# KiCad board coleco_original_main_only.kicad_pcb (continued)
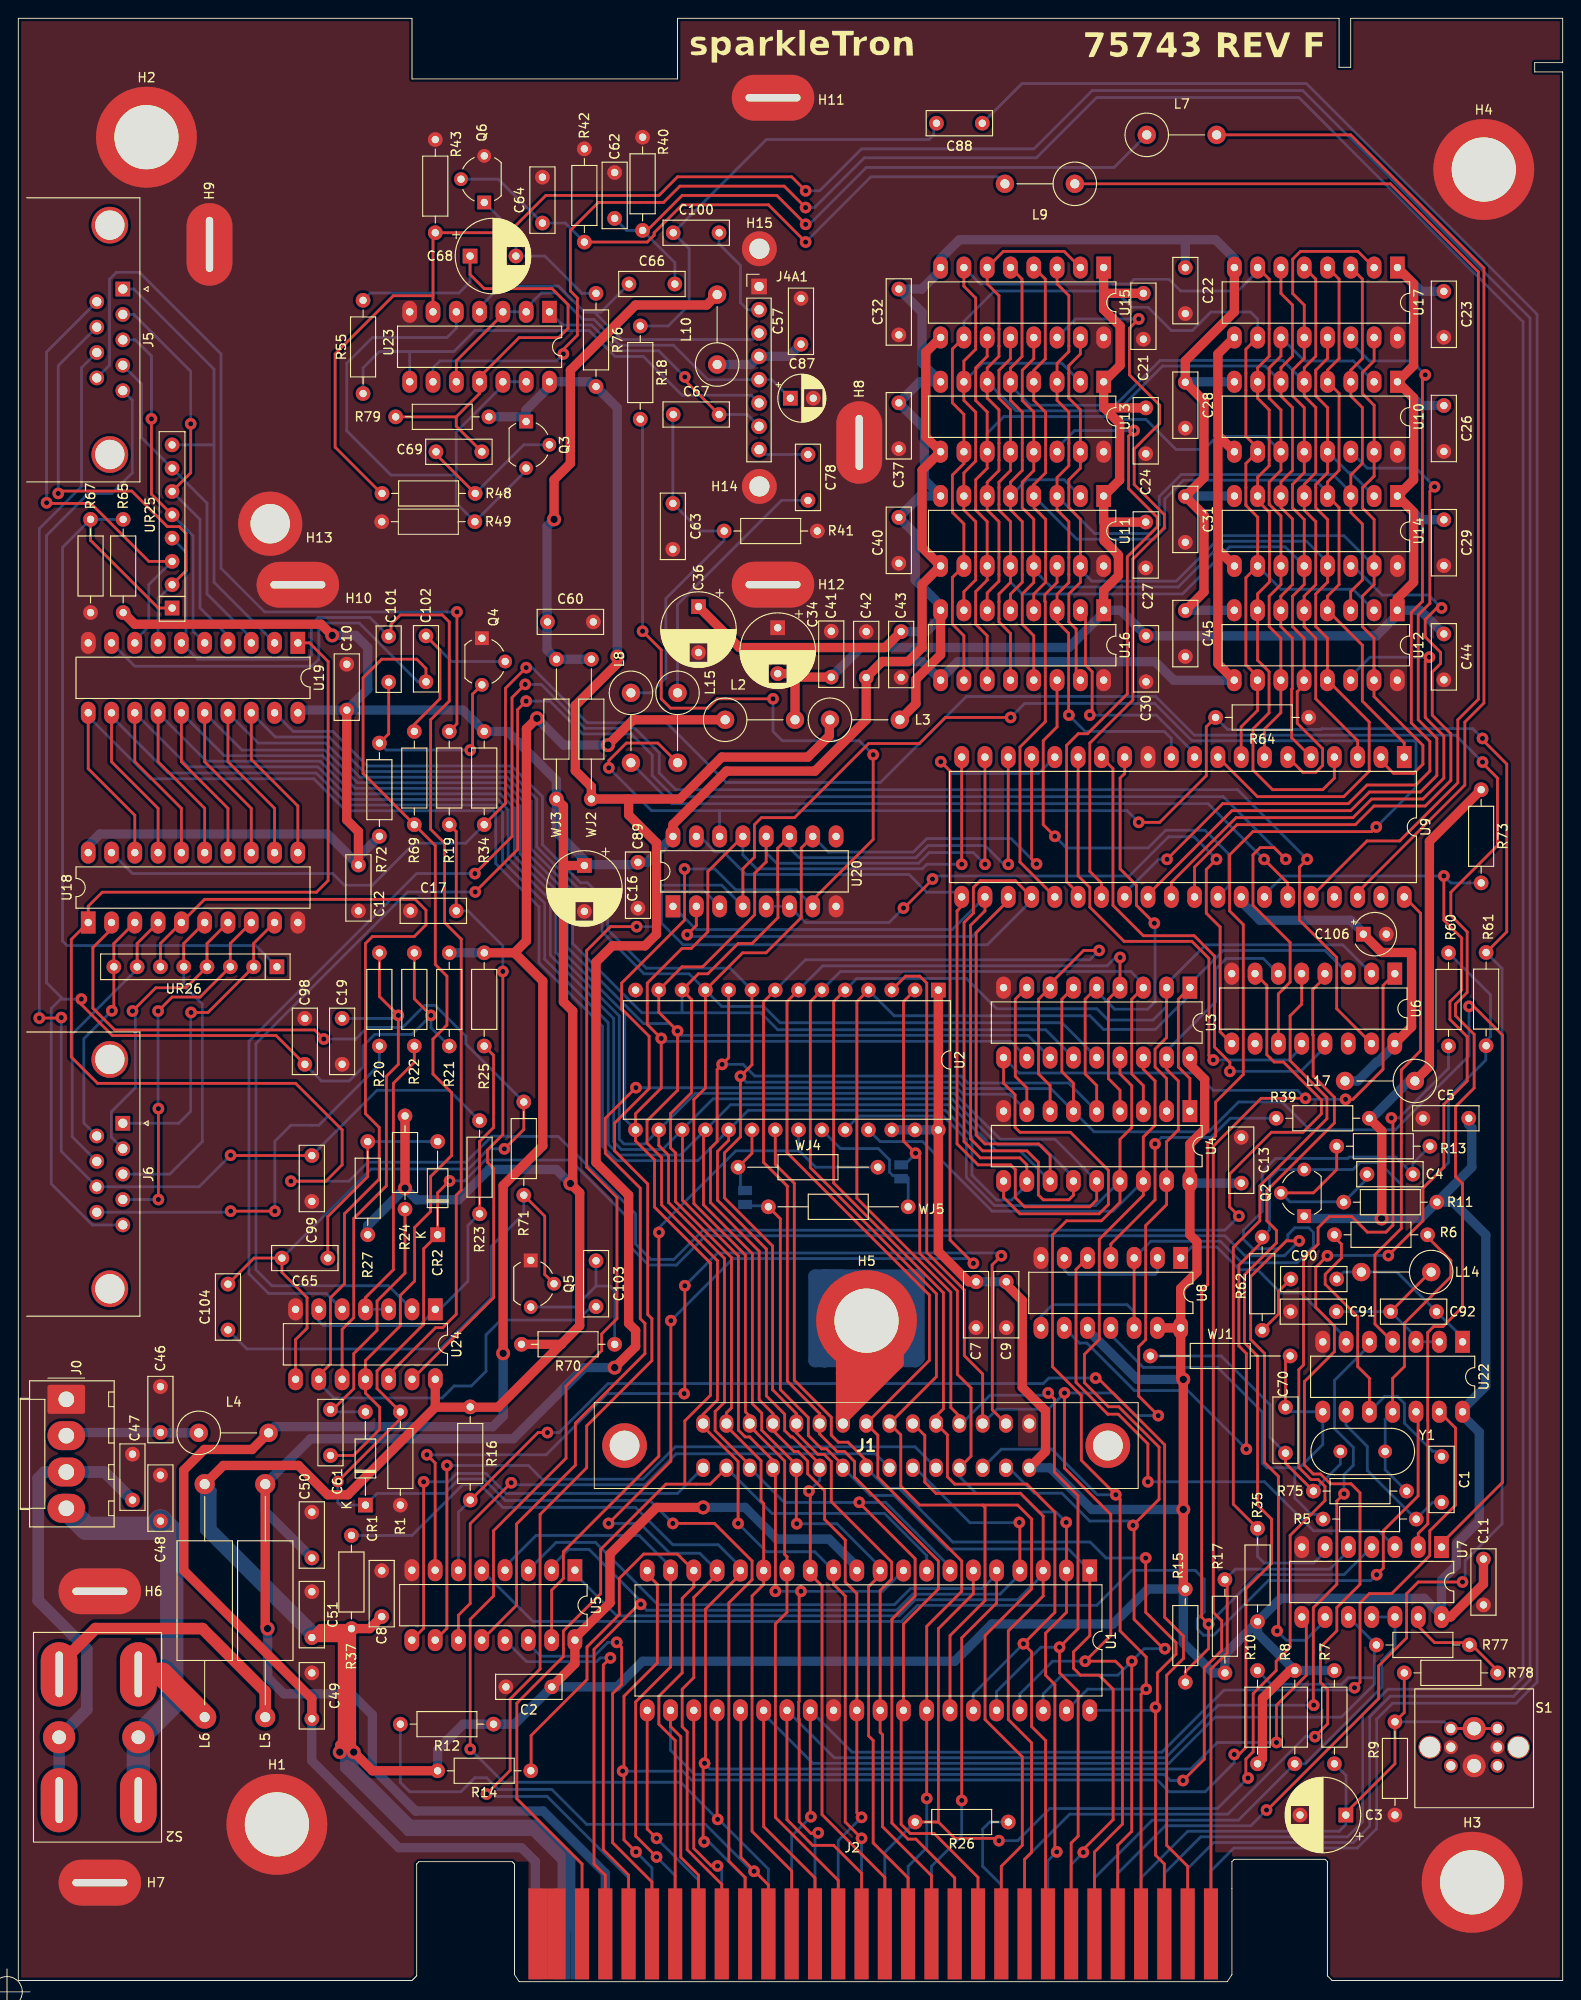
[diagram p0: board, top side]
## Footprints (pads in the part's own frame, mm; a bottom-side part is the same pattern mirrored in y, then rotated) (continued)
DPDT_GF-626-0061
  oval 4x7 hole 0.8x5: 1(-4.318,-4.572) 3(-4.318,-18.288) 4(4.318,-4.572) 6(4.318,-18.288)
  round 3.5 hole 1.5: 2(-4.318,-11.43) 5(4.318,-11.43)
DSUB-9_Male_Horizontal_P2.77x2.84mm_EdgePinOffset7.70mm_Housed_MountingHolesOffset9.12mm
  round 4 hole 3.2: 0(-6.96,-1.42) 0(18.04,-1.42)
  rect 1.6x1.6 hole 1: 1(0,0)
  round 1.6 hole 1: 2(2.77,0) 3(5.54,0) 4(8.31,0) 5(11.08,0) 6(1.385,-2.84) 7(4.155,-2.84) 8(6.925,-2.84) 9(9.695,-2.84)
L_Axial_L11.0mm_D4.5mm_P7.62mm_Vertical_Fastron_MECC
  round 2 hole 1: 1(0,0)
  oval 2x2 hole 1: 2(7.62,0)
L_Axial_L12.8mm_D5.8mm_P25.40mm_Horizontal_Fastron_HBCC
  round 2.2 hole 1.1: 1(0,0)
  oval 2.2x2.2 hole 1.1: 2(25.4,0)
Molex_KK-396_A-41791-0004_1x04_P3.96mm_Vertical
  rrect 3.16x4.1 hole 1.7: 1(0,0)
  oval 3.16x4.1 hole 1.7: 2(3.96,0) 3(7.92,0) 4(11.88,0)
MountingHole_2.2mm_M2_DIN965_Pad
  round 3.8 hole 2.2: 1(0,0)
MountingHole_4.3mm_M4_ISO14580_Pad
  round 7 hole 4.3: 1(0,0)
MountingHole_7mm_M7
  round 11 hole 7: 1(0,0)
PinHeader_1x08_P2.54mm_Vertical
  rect 1.7x1.7 hole 1: 1(0,0)
  oval 1.7x1.7 hole 1: 2(0,-2.54) 3(0,-5.08) 4(0,-7.62) 5(0,-10.16) 6(0,-12.7) 7(0,-15.24) 8(0,-17.78)
R_Array_SIP8
  rect 1.6x1.6 hole 0.8: 1(0,0)
  oval 1.6x1.6 hole 0.8: 2(2.54,0) 3(5.08,0) 4(7.62,0) 5(10.16,0) 6(12.7,0) 7(15.24,0) 8(17.78,0)
R_Axial_DIN0207_L6.3mm_D2.5mm_P10.16mm_Horizontal
  round 1.6 hole 0.8: 1(0,0)
  oval 1.6x1.6 hole 0.8: 2(10.16,0)
R_Axial_DIN0207_L6.3mm_D2.5mm_P15.24mm_Horizontal
  round 1.6 hole 0.8: 1(0,0)
  oval 1.6x1.6 hole 0.8: 2(15.24,0)
RF_MOUNT
  oval 9x5 hole 6x0.8: 1(0,-5.334)
SolderJumper-2_P1.3mm_Open_Pad1.0x1.5mm
  rect 1x1.5 smd: 1(-0.762,0) 2(0.762,0)
SWITCH_MOUNT
  oval 9x5 hole 6x0.8: 1(0,-5.334)
TO-92_Wide
  rect 1.5x1.5 hole 0.8: 1(0,0)
  round 1.5 hole 0.8: 2(2.54,2.54) 3(5.08,0)

## Nets
+5V: C2.1 C5.2 C7.1 C8.2 C9.1 C10.1 C11.2 C12.1 C13.2 C16.1 C42.1 C51.1 C89.1 J1.30 J2.58 J2.59 L6.2 L17.1 Q2.1 R7.1 R8.1 R10.1 R11.2 R12.1 R14.2 R15.1 R16.1 R17.1 R24.1 R27.1 R34.2 R35.1 R37.1 R39.2 R65.1 R70.2 R72.2 R73.1 U1.11 U2.1 U2.26 U2.27 U2.28 U3.18 U4.18 U5.16 U7.14 U8.10 U8.13 U8.14 U10.9 U11.9 U12.9 U13.9 U14.9 U15.9 U16.9 U17.9 U18.20 U19.20 U20.16 U22.14 U24.14 WJ3.2
+5VD: C106.1 L17.2 U6.16 U9.33
+12V: C22.1 C28.1 C31.1 C32.1 C36.1 C37.1 C40.1 C43.1 C45.1 L3.2 U10.8 U11.8 U12.8 U13.8 U14.8 U15.8 U16.8 U17.8
+12VL: C50.2 J2.57 L3.1 L5.2 Q3.1 R76.2 R79.1 U23.14 WJ2.1
-5V: C21.1 C23.1 C24.1 C26.1 C27.1 C29.1 C30.1 C34.2 C41.2 C44.1 L2.2 U10.1 U11.1 U12.1 U13.1 U14.1 U15.1 U16.1 U17.1
-5VL: C49.2 J2.60 L2.1 L4.2 R21.2 R25.2
GND: H5.1 J1.13
GNDD: C2.2 C3.2 C5.1 C7.2 C8.1 C9.2 C10.2 C11.1 C12.2 C13.1 C16.2 C17.1 C19.1 C21.2 C22.2 C23.2 C24.2 C26.2 C27.2 C28.2 C29.2 C30.2 C31.2 C32.2 C34.1 C36.2 C37.2 C40.2 C41.1 C42.2 C43.2 C44.2 C45.2 C46.1 C47.1 C48.1 C49.1 C50.1 C51.2 C57.2 C60.2 C62.2 C63.2 C64.2 C87.2 C89.2 C91.1 C98.1 C99.2 C106.2 H1.1 H2.1 H3.1 H4.1 H6.1 H7.1 H8.1 H9.1 H10.1 H11.1 H12.1 H13.1 H14.1 H15.1 J0.1 J1.29 J2.1 J2.2 J4A1.1 Q4.1 Q5.1 Q6.3 R1.1 R9.2 R40.2 R41.2 R42.2 R43.1 R49.2 R64.1 R67.1 S1.2 U1.29 U2.14 U3.9 U4.9 U5.8 U6.8 U7.7 U8.7 U9.12 U10.16 U11.16 U12.16 U13.16 U14.16 U15.16 U16.16 U17.16 U18.10 U19.10 U20.8 U22.7 U23.7 U24.7
VDDA: C60.1 L10.2 WJ2.2 WJ3.1
VDDF: C57.1 J4A1.4 L10.1
+5C: C48.2 J0.4 S2.1 S2.2
+12C: C47.2 J0.3 S2.4 S2.5
-5C: C46.2 J0.2 L4.1
/clock_reset_misc_logic/AUX_DECODE_2: J2.30 R17.2 U7.5
/clock_reset_misc_logic/EXP_RESET: C3.1 J2.34 R7.2 R9.1 R78.2 S1.1
/clock_reset_misc_logic/INT: CR1.1 CR2.1 J2.10 R1.2 U7.9
/clock_reset_misc_logic/RESET: J2.36 R8.2 U7.11 U7.12
/clock_reset_misc_logic/RFSH: U5.5 U22.12
/clock_reset_misc_logic/SND_CLK: J2.35 L15.2 R61.1 R64.2 U20.14
/clock_reset_misc_logic/VDP_CLK: U9.40 U22.4
/clock_reset_misc_logic/~{AUD_DECODE_2}: R35.2 U6.5 U7.6
/clock_reset_misc_logic/~{CLK}: J2.45 R26.2 R60.1 U1.6
/clock_reset_misc_logic/~{CTRL_READ_2}: R34.1 U7.2 U18.19
/clock_reset_misc_logic/~{INT}: J2.51 R37.2 U1.16 U7.8
/clock_reset_misc_logic/~{M1}: J2.15 U1.27 U22.5
/clock_reset_misc_logic/~{RESET}: J2.13 R10.2 R77.2 U1.26 U7.10
/clock_reset_misc_logic/~{RFSH}: J2.49 U1.28 U22.13
/clock_reset_misc_logic/~{WAIT}: J2.50 R15.2 U1.24 U7.4 U20.4
/controller/~{CTRL_EN_1}: U6.11 U24.2
/controller/~{CTRL_EN_2}: U6.15 U24.5
/controller/~{CTRL_READ}: U6.7 U18.1 U19.1
/cpu/A0: J1.7 J2.47 U1.30 U2.10 U3.5 U4.5 U9.13
/cpu/A1: J1.9 J2.18 U1.31 U2.9 U3.6 U4.6 U7.1 U19.19
/cpu/A2: J1.11 J2.20 U1.32 U2.8 U3.7 U4.7
/cpu/A3: J1.15 J2.44 U1.33 U2.7 U3.4 U4.4
/cpu/A4: J1.17 J2.21 U1.34 U2.6 U3.3 U4.3
/cpu/A5: J1.21 J2.23 U1.35 U2.5 U3.2 U4.2 U6.2
/cpu/A6: J1.23 J2.24 U1.36 U2.4 U3.1 U4.1 U6.3
/cpu/A7: J1.25 J2.25 U1.37 U2.3 U3.17 U4.17 U6.6
/cpu/A8: J1.28 J2.26 U1.38 U2.25 U3.16 U4.16
/cpu/A9: J1.26 J2.27 U1.39 U2.24 U3.15 U4.15
/cpu/A10: J1.16 J2.28 U1.40 U2.21
/cpu/A11: J1.14 J2.37 JP1.2 U1.1 WJ5.1
/cpu/A12: J1.24 J2.38 JP2.1 U1.2 U2.2
/cpu/A13: J1.19 J2.22 U1.3 U5.1
/cpu/A14: J1.20 J2.4 U1.4 U5.2
/cpu/A15: J2.43 U1.5 U5.3
/cpu/D0: J1.5 J2.14 U1.14 U2.11 U3.14 U9.17 U18.11 U19.18 U20.10
/cpu/D1: J1.3 J2.12 U1.15 U2.12 U3.13 U9.18 U18.12 U19.17 U20.11
/cpu/D2: J1.1 J2.46 U1.12 U2.13 U3.12 U9.19 U18.13 U19.16 U20.12
/cpu/D3: J1.4 J2.3 U1.8 U2.15 U3.11 U9.20 U18.14 U19.15 U20.13
/cpu/D4: J1.6 J2.19 U1.7 U2.16 U4.14 U9.21 U18.15 U19.14 U20.15
/cpu/D5: J1.8 J2.48 U1.9 U2.17 U4.13 U9.22 U18.16 U19.13 U20.1
/cpu/D6: J1.10 J2.17 U1.10 U2.18 U4.12 U9.23 U18.17 U19.12 U20.2
/cpu/D7: J1.12 J2.16 U1.13 U2.19 U4.11 U9.24 U18.18 U19.11 U20.3
/cpu/~{BUSAK}: J2.52 U1.23
/cpu/~{BUSRQ}: J2.11 R12.2 U1.25
/cpu/~{HALT}: J2.7 R14.1 U1.18
/cpu/~{IORQ}: J2.55 U1.20 U6.4
/cpu/~{MREQ}: J2.54 U1.19 U5.4
/cpu/~{NMI}: J2.9 U1.17 U9.16
/cpu/~{RD}: J2.53 U1.21
/cpu/~{WR}: J2.8 U1.22 U3.10 U4.10 U6.1
/decoder_logic/AUX_DECODE_1: J2.29 R16.2 U5.6
/decoder_logic/~{CS_h2000}: J2.6 U5.14
/decoder_logic/~{CS_h4000}: J2.5 U5.13
/decoder_logic/~{CS_h8000}: J1.18 U5.11
/decoder_logic/~{CS_hA000}: J1.22 U5.10
/decoder_logic/~{CS_hC000}: J1.2 U5.9
/decoder_logic/~{CS_hE000}: J1.27 U5.7
/decoder_logic/~{CSR}: U6.12 U9.15
/decoder_logic/~{CSW}: U6.13 U9.14
/decoder_logic/~{RAM_CS}: U3.8 U4.8 U5.12
/decoder_logic/~{ROM_ENABLE}: U2.22 U5.15 WJ4.2
/decoder_logic/~{SND_ENABLE}: U6.9 U20.5 U20.6
/io_ports/EXT_SOUND: C88.1 J2.31
/io_ports/EXT_VIDEO: J2.33 U23.9
/io_ports/EXT_VIDEO_SEL: J2.32 R43.2 R48.1 U23.6
/io_ports/SND_OUT: J2.56 R18.2 U20.7
/io_ports/~{VDP_RESET}: J2.39 R73.2 U9.34
/psu/+5NF: L6.1 S2.3
/psu/+12NF: L5.1 S2.6
/rf_mod/B-Y: L8.2 U9.35
/rf_mod/R-Y: L7.2 U9.38
/rf_mod/sub_rf_mod/2: C100.2 J4A1.2
/rf_mod/sub_rf_mod/3: C66.1 J4A1.3 U23.4
/rf_mod/sub_rf_mod/5: C87.1 J4A1.5 U23.2 U23.3 U23.10
/rf_mod/sub_rf_mod/6: J4A1.6 R55.1 U23.8
/rf_mod/sub_rf_mod/7: C67.2 J4A1.7 U23.1
/rf_mod/sub_rf_mod/8: C78.1 J4A1.8
/rf_mod/Y: L9.1 U9.36
/video/AD0: U9.10 U16.2
/video/AD1: U9.9 U10.13 U11.13 U12.13 U13.13 U14.2 U14.13 U15.13 U16.13 U17.13
/video/AD2: U9.8 U10.10 U11.10 U12.2 U12.10 U13.10 U14.10 U15.10 U16.10 U17.10
/video/AD3: U9.7 U10.2 U10.11 U11.11 U12.11 U13.11 U14.11 U15.11 U16.11 U17.11
/video/AD4: U9.6 U10.12 U11.12 U12.12 U13.12 U14.12 U15.12 U16.12 U17.2 U17.12
/video/AD5: U9.5 U10.6 U11.6 U12.6 U13.6 U14.6 U15.2 U15.6 U16.6 U17.6
/video/AD6: U9.4 U10.7 U11.7 U12.7 U13.2 U13.7 U14.7 U15.7 U16.7 U17.7
/video/AD7: U9.3 U10.5 U11.2 U11.5 U12.5 U13.5 U14.5 U15.5 U16.5 U17.5
Net-(C1-Pad1): C1.1 R6.1 U22.10
Net-(C1-Pad2): C1.2 R5.2 U22.9
Net-(C17-Pad2): C17.2 R19.2 U24.13
Net-(C19-Pad2): C19.2 R20.2 U24.10
Net-(C61-Pad1): C61.1 CR1.2 R24.2
Net-(C62-Pad1): C62.1 C66.2 L7.1 R40.1
Net-(C63-Pad1): C63.1 C67.1 L8.1 R41.1
Net-(C64-Pad1): C64.1 L9.2 Q6.2 R42.1
Net-(C65-Pad1): C65.1 CR2.2 R27.2
Net-(C68-Pad2): C68.2 Q6.1 R76.1
Net-(C69-Pad1): C69.1 Q3.2 R48.2
Net-(C70-Pad1): C70.1 R5.1 U8.11 U22.8 WJ1.2
Net-(C70-Pad2): C70.2 R75.2 WJ1.1 Y1.2
Net-(C78-Pad2): C78.2 L15.1
Net-(C90-Pad1): C90.1 R62.2
Net-(C90-Pad2): C90.2 C92.2 L14.2 U22.1
Net-(C91-Pad2): C91.2 C92.1 L14.1 U22.2 U22.3
Net-(C98-Pad2): C98.2 J5.5 J6.5 R21.1 R22.1
Net-(C99-Pad1): C99.1 J5.8 J6.8 R23.1
Net-(C100-Pad1): C88.2 C100.1 R18.1
Net-(C101-Pad1): C101.1 Q4.3 R72.1
Net-(C101-Pad2): C101.2 U19.6 U24.12 UR25.4
Net-(C102-Pad1): C102.1 Q4.2 R69.2
Net-(C102-Pad2): C61.2 C102.2 R69.1 U19.9 U24.11
Net-(C103-Pad1): C103.1 Q5.3 R70.1
Net-(C103-Pad2): C103.2 U18.5 U24.9 UR26.6
Net-(C104-Pad1): C104.1 Q5.2 R71.2
Net-(C104-Pad2): C65.2 C104.2 R71.1 U18.2 U24.8
Net-(J2-Pad40): J2.40 R26.1
Net-(J5-Pad1): J5.1 U19.2 UR25.8
Net-(J5-Pad2): J5.2 U19.4 UR25.6
Net-(J5-Pad3): J5.3 U19.5 UR25.5
Net-(J5-Pad4): J5.4 U19.3 UR25.7
Net-(J5-Pad6): J5.6 U19.8 UR25.3
Net-(J5-Pad7): J5.7 U19.7 UR25.2
Net-(J5-Pad9): J5.9 R19.1
Net-(J6-Pad1): J6.1 U18.9 UR26.2
Net-(J6-Pad2): J6.2 U18.7 UR26.4
Net-(J6-Pad3): J6.3 U18.6 UR26.5
Net-(J6-Pad4): J6.4 U18.8 UR26.3
Net-(J6-Pad6): J6.6 U18.3 UR26.8
Net-(J6-Pad7): J6.7 U18.4 UR26.7
Net-(J6-Pad9): J6.9 R20.1
Net-(JP1-Pad1): JP1.1 U2.20 WJ4.1
Net-(JP2-Pad2): JP2.2 U2.23 WJ5.2
Net-(Q2-Pad3): Q2.3 R60.2 R61.2 R62.1 U8.9
Net-(Q3-Pad3): Q3.3 R49.1 U23.5 U23.12 U23.13
Net-(R6-Pad2): R6.2 R75.1 U22.11 Y1.1
Net-(R22-Pad2): R22.2 U24.3 U24.4
Net-(R23-Pad2): R23.2 R25.1 U24.1 U24.6
Net-(R39-Pad1): R39.1 U8.4
Net-(R65-Pad2): R65.2 R67.2 UR25.1 UR26.1
Net-(R77-Pad1): R77.1 R78.1 U7.13
Net-(U7-Pad3): U7.3 U8.5
Net-(U8-Pad2): U8.2 U8.6
Net-(U10-Pad3): U9.11 U10.3 U11.3 U12.3 U13.3 U14.3 U15.3 U16.3 U17.3
Net-(U10-Pad4): U9.1 U10.4 U11.4 U12.4 U13.4 U14.4 U15.4 U16.4 U17.4
Net-(U10-Pad14): U9.29 U10.14
Net-(U10-Pad15): U9.2 U10.15 U11.15 U12.15 U13.15 U14.15 U15.15 U16.15 U17.15
Net-(U11-Pad14): U9.25 U11.14
Net-(U12-Pad14): U9.30 U12.14
Net-(U13-Pad14): U9.26 U13.14
Net-(U14-Pad14): U9.31 U14.14
Net-(U15-Pad14): U9.27 U15.14
Net-(U16-Pad14): U9.32 U16.14
Net-(U17-Pad14): U9.28 U17.14
Net-(U22-Pad6): U8.1 U22.6

Pads without a net: C4 1 2; C68 1; C69 2; J1 MH1 MH2; J2 41 42; J5 0; J6 0; Q2 2; R11 1; R13 1 2; R55 2; R79 2; S1 3 NA; U6 10 14; U8 3 8 12; U9 37 39; U20 9; U23 11

## Via types
v1: diameter 1.524, hole 0.813, Top to Bottom, 16 vias
v2: diameter 1.27, hole 0.559, Top to Bottom, 164 vias

## Routing (per net, layer and track width the routed paths; a pad name or vN(x,y) marks a point on that pad's centre or on a via; arc(x,y) is an arc through that point)
+5V: length 1146.4
  Top w1.016: R70.2 59.18,69.47 59.22,69.5 ; R65.1 12.7,147.95 33.01,147.95 v1(34.23,146.74) ; 36.32,27.3 R37.1 ; 36.32,27.3 36.32,26.29 v1(35.05,25.02) 35.05,25.78 35.35,26.07 35.35,37.5 ; 36.32,27.3 36.32,25.27 v1(36.58,25.02) ; R37.1 38.31,38.48 C8.2 ; R37.1 32.98,38.48 C51.1 35.35,37.5 ; R37.1 35.35,37.5 ; v1(36.58,25.02) 38.61,22.99 R14.2 ; v1(36.58,25.02) 36.58,25.27 36.07,25.78 ; 131.12,168.25 U10.9 ; 131.12,168.25 130.81,168.55 130.81,177.42 U17.9 ; 131.12,168.25 130.81,167.94 130.81,156.1 131.12,155.8 ; U20.16 71.39,126.13 77.22,131.95 86.87,131.95 92.46,137.54 C42.1 94.19,143.89 97.03,143.89 98.55,145.41 98.55,152.29 U11.9 98.55,156.33 98.55,164.74 U13.9 98.96,168.37 98.96,177.6 U15.9 ; 107.44,76.29 109.47,74.25 109.47,64.77 112.01,62.23 112.01,57.78 J1.30 ; 131.12,155.8 130.81,155.49 130.81,143.64 U12.9 ; 131.12,155.8 U14.9 ; 45.47,62.61 U24.14 ; 45.47,62.61 35.92,53.07 33.74,53.07 30.55,56.26 22.35,56.26 L6.2 ; 45.47,62.61 52.32,62.61 59.22,69.5 ; C16.1 59.53,121.66 59.44,121.75 59.44,118.96 ; U8.13 U8.14 ; U8.14 126.75,75.57 128.52,77.34 128.52,80.64 127.75,81.42 U4.18 127.75,91.3 129.36,92.92 129.36,98.35 127.75,99.96 U3.18 ; U8.14 126.75,65.92 v1(127.03,65.64) 127.03,43.02 R15.1 ; R39.2 148.68,92.75 148.68,83.21 v1(148.66,83.18) ; 104.17,76.29 103.62,76.29 100.32,79.59 U2.28 U2.1 ; 59.44,118.96 59.44,106.81 60.45,105.79 60.45,87.25 v1(60.2,86.99) 61.21,85.98 61.21,71.5 59.22,69.5 ; 59.44,118.96 59.44,128.14 WJ3.2 ; R8.1 138.68,33.91 135.67,30.89 135.67,24.29 R10.1 ; R73.1 153.87,124.28 153.87,99.76 L17.1 ; v1(74.68,51.69) 69.6,51.69 64.52,46.61 64.52,41.27 60.69,37.45 U5.16 60.69,34.66 C2.1 ; C10.1 35.81,126.62 37.08,125.35 C12.1 ; U7.14 156.18,39.75 159.77,43.34 C11.2 ; R24.1 v1(42.16,86.49)
  Bottom w1.016: C10.1 48.47,138.6 R34.2 53.34,136.27 58.67,130.94 WJ3.2 58.67,125.31 61.72,122.26 C16.1 61.82,121.75 67.31,121.75 C89.1 68.57,122.01 U20.16 ; C10.1 30.77,138.6 U19.20 ; C10.1 38.1,140.88 38.1,145.41 36.78,146.74 v1(34.23,146.74) ; v1(36.58,25.02) 36.58,23.31 42.74,17.14 56.39,17.14 60.23,13.3 60.23,6.19 J2.58 ; U12.9 125.98,141.86 123.97,143.87 102.44,143.87 100.57,142 U16.9 98.54,143.89 94.19,143.89 C42.1 ; 152.94,83.22 R11.2 ; R11.2 156.46,84.96 160.02,81.41 160.02,64.9 157.49,62.36 U22.14 157.49,61.72 159.3,59.9 159.3,50.21 156.81,47.71 156.81,45.36 155.19,43.75 U7.14 155.19,39.89 153.3,41.78 137.67,41.78 R35.1 ; R11.2 158.5,88.77 158.5,93.09 158.16,93.42 C5.2 ; Q2.1 140.47,83.18 152.91,83.18 ; R35.1 131.57,35.69 R17.1 130.3,33.65 127.03,36.92 127.03,42.58 R15.1 123.19,42.8 119.38,38.99 106.17,38.99 102.11,34.92 68.07,34.92 65.28,32.13 C2.1 54.1,28.07 R12.1 48.51,28.07 45.72,25.27 R14.2 ; R35.1 135.13,37.97 R8.1 R7.1 ; U2.26 U2.28 ; v1(127.03,51.47) 117.06,51.47 112.52,56.01 J1.30 ; R72.2 37.08,122.55 C12.1 33.7,125.09 8.89,125.09 7.62,123.82 U18.20 ; 107.44,76.29 104.17,76.29 ; v1(148.66,83.18) 148.69,83.15 149.44,83.15 ; R39.2 147.57,94.11 151.64,98.17 L17.1 ; U8.10 116.59,71.06 122.01,65.64 v1(127.03,65.64) ; v1(35.05,25.02) 35.59,24.48 35.59,23.27 42.49,16.38 56.13,16.38 59.31,13.21 J2.59 ; v1(74.68,51.69) 79.25,51.69 82.7,48.24 88.41,48.24 91.44,45.21 U1.11 ; R27.1 38.1,82.42 v1(42.16,86.49) 43.43,85.22 48.01,85.22 51.31,88.52 58.67,88.52 v1(60.2,86.99) ; C13.2 127.98,87.03 U4.18 ; 21.12,53.5 20.39,54.23 L6.2 20.32,49.19 C51.1 32,38.48 21.12,49.37 21.12,53.5
+5VD: length 39.4
  Top w1.016: C106.1 148.66,112.17 151.93,112.17 151.93,104.08 U6.16
  Bottom w1.016: L17.2 146.05,98.17 148.12,100.24 148.23,100.24 150.1,102.11 U6.16 ; U9.33 133.34,117.73 135.38,115.7 145.29,115.7 146.67,114.32 C106.1
+12V: length 194.9
  Top w1.016: U16.8 100.57,144.64 97.88,141.95 97.88,139.3 L3.2 ; U17.8 132.6,182.01 127.25,176.66 C28.1 129.29,172.3 129.29,163.92 C31.1 129.29,159.85 129.29,151.47 C45.1 ; C36.1 78.62,145.42 94.53,145.42 C43.1
  Bottom w1.016: C28.1 127.3,174.38 U10.8 ; C22.1 127.25,189.61 127.51,189.86 ; C31.1 127.3,161.93 U14.8 ; 127.51,189.86 102.62,189.86 100.57,187.82 U15.8 100.57,186.55 98.51,184.49 C32.1 98.55,181.95 98.55,176.4 U13.8 98.31,174.38 C37.1 98.81,169.29 98.81,163.69 U11.8 98.34,161.93 C40.1 97.79,157.82 97.79,152.78 100.57,150 U16.8 100.57,148.7 99.02,147.15 C43.1 ; 127.51,189.86 130.56,189.86 132.6,187.82 U17.8 ; U12.8 127.29,149.48 C45.1
+12VL: length 295.3
  Top w1.016: 66.55,128.9 66.55,127.17 69.6,124.12 69.6,114.17 68.33,112.9 64.77,112.9 62.99,111.12 62.99,89.28 66.55,85.72 66.55,71.75 67.31,70.99 67.31,69.21 v1(65.02,66.93) ; 66.55,128.9 72.14,128.9 76.71,133.48 86.11,133.48 88.44,135.81 88.44,137.54 ; 66.55,128.9 WJ2.1 62.48,130.24 60.74,131.99 60.74,139.1 65.31,143.67 v1(65.31,144.43) ; v1(27.18,38.48) 26.92,38.73 L5.2
  Bottom w1.016: R79.1 54.86,170.56 Q3.1 55.36,171.31 57.92,173.87 U23.14 62.22,174.39 62.99,173.61 ; v1(65.31,144.43) 65.31,171.54 R76.2 ; J2.57 64.01,11.81 57.23,18.59 43.32,18.59 38.61,23.31 38.61,29.08 36.32,31.37 28.96,31.37 27.18,33.15 v1(27.18,38.48) ; v1(65.02,66.93) 61.72,66.93 53.96,59.17 31.86,59.17 L5.2 26.92,51.26 C50.2
-5V: length 199.4
  Top w1.016: 118.4,171.54 120.09,169.85 120.09,163.67 U11.1 118.35,159.15 118.4,159.09 ; 118.4,171.54 118.35,171.59 U13.1 120.14,176.17 120.14,180.47 118.35,182.26 118.35,183.78 ; 118.4,171.54 122.68,171.54 ; U16.1 118.35,151.63 119.96,153.24 119.96,155.38 119.86,155.48 119.92,155.54 118.4,157.06 118.4,159.09 ; 118.4,159.09 C27.1 ; C34.2 84.36,142.57 84.74,142.19 C41.2 ; C21.1 118.59,184.02 118.35,183.78 ; U15.1 118.35,183.78 ; U17.1 152.15,185.07 152.15,176.14 U10.1 152.15,172.62 152.15,163.69 U14.1 152.15,160.17 152.15,152.53 150.37,150.75 U12.1 ; L2.2 84.69,142.23
  Bottom w1.016: U17.1 152.98,184.24 C23.1 ; C26.1 152.97,171.79 U10.1 ; C41.2 91.87,145.41 114.55,145.41 118.35,149.21 U16.1 120.21,149.48 122.97,146.72 C30.1 148.08,146.69 150.37,148.97 U12.1 152.87,149.48 C44.1 ; U14.1 152.97,159.34 C29.1
-5VL: length 221.7
  Top w1.016: L2.1 67.06,137.54 v1(64.3,134.78) ; L4.2 25.48,58 20.29,58 18.03,55.75 18.03,44.83 32,30.86 C49.2 ; 54.1,112.14 57.18,109.06 57.18,91.09 52.87,86.77 v1(52.87,68.49) ; 54.1,112.14 55.41,113.44 55.41,136.56 v1(56.55,137.7) ; 54.1,112.14 R25.2
  Bottom w1.016: v1(52.87,68.49) 52.87,61.63 51.73,60.49 27.96,60.49 L4.2 ; R25.2 R21.2 ; C49.2 32,24.07 41.47,14.6 54.86,14.6 56.39,13.08 J2.60 ; v1(64.3,134.78) 59.47,134.78 v1(56.55,137.7)
GND: length 147.7
  Top w1.524: 89.92,66.23 90.17,66.23 91.47,64.93 91.47,64.68 ; 89.92,66.23 89.92,60.83 ; 89.92,66.23 89.92,66.42 ; 89.92,66.42 89.92,68.96 93,72.04 95.79,69.25 95.79,67.47 89.92,61.59 89.92,60.83 ; 89.92,66.42 89.95,66.45 93.25,66.45 91.47,64.68 ; 89.92,60.83 89.92,63.12 91.47,64.68
  Bottom w1.524: 97.06,76.61 97.06,68.49 97.82,67.72 ; 97.06,76.61 98.08,75.6 ; 97.06,76.61 97.06,76.87 ; 87.92,76.87 92.49,72.3 87.92,67.72 ; 87.92,76.87 87.92,68.99 90.97,72.04 H5.1 ; 87.92,76.87 89.7,76.87 ; 87.92,76.87 92.74,72.04 93,72.04 92.24,72.04 87.92,67.72 ; 98.08,75.6 98.08,67.98 97.82,67.72 ; 98.08,75.6 98.08,76.87 ; 89.7,76.87 86.9,76.87 86.9,67.72 87.92,67.72 ; 89.7,76.87 98.08,76.87 ; 97.82,67.72 87.92,67.72 ; 87.92,67.72 97.06,76.87 ; 97.06,76.87 98.08,76.87
VDDA: length 56.2
  Top w1.016: L10.2 75.07,182.75 67.31,182.75 60.2,175.64 60.2,165.48 58.42,163.7 v1(58.42,159.38)
  Bottom w1.016: v1(58.42,159.38) 57.66,158.62 57.66,145.16 WJ3.1 WJ2.2
VDDF: length 10.1
  Bottom w1.016: C57.1 84.02,177.15 J4A1.4 79.88,176.26 L10.1
(no net): length 166.4
  Top w0.305: Q2.2 141.22,85.98 143.76,88.52 R13.1 ; 47.75,170.56 50.3,173.11 50.3,174.88 54.61,179.2 58.93,179.2 59.94,180.21 59.94,182.79 58.2,184.53 50.8,184.53 49.26,186.07 C68.1 ; 47.75,170.56 R79.2 ; 47.75,170.56 47.75,169.54 C69.2 ; U8.12 U8.3
  Bottom w0.305: 37.59,183.26 38.39,184.06 48.04,184.06 49.26,185.27 C68.1 ; R13.2 152.07,89.2 C4.2 150.2,89.88 145.12,89.88 144.97,89.73 137.1,89.73 135.64,88.26 135.64,83.95 133.6,81.91 133.6,80.9 134.61,79.9 137.43,79.9 138.43,80.9 138.43,81.41 139.19,82.17 140.72,82.17 141.22,81.66 141.22,80.14 139.45,78.36 133.42,78.36 131.08,80.7 123.49,80.7 U8.3 ; Q2.2 138.66,85 144.49,85 R11.1 147.07,87.5 C4.1 ; U8.8 111.51,72.52 112.78,73.79 120.9,73.79 121.67,73.02 U8.12
+5C: length 44
  Bottom w2.54: S2.1 S2.2 16.73,30.29 16.73,48.97 C48.2 14.69,49.41 7.41,49.41 J0.4
+12C: length 50.4
  Bottom w1.27: S2.4 S2.5 7.46,29.65 7.46,36.25 2.16,41.54 2.16,54.86 2.85,55.55 J0.3 9.39,55.55 C47.2
-5C: length 14.3
  Bottom w1.016: 19.42,59.82 15.53,59.82 C46.2 5.57,59.86 J0.2
/clock_reset_misc_logic/AUX_DECODE_2: length 54.6
  Top w0.305: J2.30 130.05,34.06 131.83,35.84 131.83,43.56 R17.2
  Bottom w0.305: U7.5 145.03,46.97 143.03,44.97 132.72,44.97 R17.2
/clock_reset_misc_logic/EXP_RESET: length 72.7
  Top w0.305: R78.2 151.13,29.34 R9.1 150.11,23.75 144.76,18.4 C3.1 ; S1.1 S1.1 S1.1
  Bottom w0.305: J2.34 122.43,11.3 127.51,16.39 144.02,16.39 144.76,17.13 C3.1 144.78,18.18 144.78,22.48 R7.2 ; S1.1 S1.1 155.48,28.32 R9.1
/clock_reset_misc_logic/INT: length 291.5
  Top w0.305: v2(34.83,54.52) 41.66,61.34 R1.2 39.12,64.64 39.12,66.57 44.2,71.65 44.2,79.88 CR2.1 45.72,85.98 v2(47.02,87.28) ; v2(139.67,80.74) 138.27,80.74 134.38,76.85 134.38,69.99 135.89,68.48 135.89,56.59 137.41,55.06 137.41,38.38 v2(137.26,38.23) ; J2.10 79.25,11.37 77.48,13.14 77.48,41.28 80.01,43.81 80.01,45.85 75.91,49.94 v2(71.37,49.94)
  Bottom w0.305: v2(137.26,38.23) 138.28,37.21 140.35,37.21 142.49,39.35 U7.9 ; v2(34.83,54.52) 34.83,52.23 35.12,51.94 CR1.1 39.12,53.21 46.48,53.21 48.06,54.79 50.75,54.79 53.09,52.45 68.87,52.45 v2(71.37,49.94) ; v2(139.67,80.74) 138.05,79.12 133.76,79.12 131.57,81.31 74.95,81.31 71.75,78.1 68.73,78.1 66.55,80.29 66.55,83.18 60.18,89.55 50.92,89.55 48.65,87.28 v2(47.02,87.28)
/clock_reset_misc_logic/RESET: length 56.8
  Bottom w0.305: U7.11 U7.12 150.11,36.45 148.68,35.02 148.68,32.11 140.33,23.75 R8.2 133.05,17.61 123.65,17.61 117.35,11.3 J2.36
/clock_reset_misc_logic/RFSH: length 131.8
  Top w0.305: U22.12 152.64,61.88 152.64,52.95 148.84,49.15 148.84,45.08 v2(148.12,44.36)
  Bottom w0.305: U5.5 56.11,39.26 96.29,39.26 98.04,41.02 117.6,41.02 121.41,44.83 128.34,44.83 129.32,43.85 129.32,40.29 128.56,39.53 128.56,38.45 129.25,37.75 130.34,37.75 136.31,43.72 147.48,43.72 v2(148.12,44.36)
/clock_reset_misc_logic/SND_CLK: length 278.2
  Top w0.305: v2(136.11,18.7) 136.18,18.7 148.34,30.86 148.34,34.42 151.38,37.46 151.38,42.29 152.65,43.56 v2(157.48,43.56) ; v2(159.66,135.51) 159.66,135.36 162.31,132.71 162.31,114.43 R61.1 ; v2(122.17,126.36) 124.46,126.36 129.54,131.44 129.54,136.78 R64.2 ; L15.2 69.74,135 66.29,135 64.39,133.1 v2(64.39,132.3)
  Bottom w0.305: v2(159.66,135.51) 158.6,136.58 142.14,136.58 142.03,136.47 131.88,136.47 R64.2 ; 160.02,112.21 161.8,110.43 161.8,49.91 157.77,45.88 157.77,43.85 v2(157.48,43.56) ; 76.45,127.63 69.06,127.63 v2(64.39,132.3) ; 76.45,127.63 76.47,127.62 U20.14 ; 76.45,127.63 120.9,127.63 v2(122.17,126.36) ; v2(136.11,18.7) 134.4,17 125.07,17 119.89,11.81 J2.35
/clock_reset_misc_logic/VDP_CLK: length 52.1
  Top w0.305: U9.40 152.91,116.45 152.91,101.47 150.81,99.37 150.81,91.48 150.81,91.48 150.81,82.1 147.93,79.22 147.93,71.67 U22.4
/clock_reset_misc_logic/~{AUD_DECODE_2}: length 79.7
  Top w0.305: 139.94,109.87 139.94,106.54 138.68,105.28 138.68,100.37 139.57,99.48 139.57,99.47 142.7,96.34 142.7,94.06 135.38,86.74 135.38,82.93 132.49,80.04 132.49,52.04 R35.2
  Bottom w0.305: R35.2 135.13,46.35 135.86,45.63 141.26,45.63 142.49,46.86 U7.6
/clock_reset_misc_logic/~{CLK}: length 181
  Top w0.305: 100.33,17.4 100.33,38.48 104.13,42.29 104.13,44.81 ; 100.33,17.4 R26.2 ; 100.33,17.4 102.11,15.62 106.68,15.62 v2(106.93,15.37) ; v2(134.09,22.2) 133.86,22.43 133.86,24.26 134.65,25.05 134.65,31.4 137.16,33.91 137.16,34.92 138.68,36.45 138.68,48.64 142.48,52.44 142.48,53.99 141.74,54.72 140.95,54.72 139.63,56.04 139.63,66.71 140.14,67.22 140.14,78.8 141.73,80.39 141.73,82.17 142.95,83.39 145.41,83.39 147.1,81.69 149.13,81.69 149.89,82.46 149.89,93.96 v2(149.72,94.14)
  Bottom w0.305: v2(149.72,94.14) 150.56,94.14 155.96,99.54 R60.1 ; v2(134.09,22.2) 134.08,22.2 130.76,18.87 112.47,18.87 108.97,15.37 v2(106.93,15.37) ; R26.2 94.49,14.1 J2.45
/clock_reset_misc_logic/~{CTRL_READ_2}: length 274.4
  Top w0.305: R34.1 53.12,128.43 53.12,140.97 55.37,143.22 v2(55.38,143.22) ; U7.2 152.65,48.86 153.7,49.91 153.7,61.18 153.69,61.2 153.69,70.76 154.33,71.4 155.34,71.4 157.48,73.53 157.48,86.99 156.72,87.76 156.72,95.38 158.75,97.41 158.75,103.25 156.72,105.28 156.72,106.55 157.99,107.82 157.99,114.43 156.21,116.2 156.21,118.74 161.29,123.82 161.29,131.19 159.66,132.82 v2(159.66,132.93)
  Bottom w0.305: U18.19 12.45,120.78 34.29,120.78 35.56,119.51 38.61,119.51 43.18,124.08 48.77,124.08 R34.1 ; v2(159.66,132.93) 156.73,135.86 128.24,135.86 124.02,140.08 103.38,140.08 94.01,130.72 77.18,130.72 70.68,137.22 62.05,137.22 56.04,143.22 v2(55.38,143.22)
/clock_reset_misc_logic/~{INT}: length 171.3
  Top w0.305: U7.8 140.45,39.26 140.45,33.39 137.19,30.13 v2(137.19,26.07) ; v2(74.79,15.25) 74.68,15.36 74.68,23.64 v2(74.83,23.8) 74.93,23.9 74.93,40.61 78.73,44.41 78.73,44.81
  Bottom w0.305: R37.2 42.93,48.64 48.46,54.18 50.34,54.18 52.83,51.69 67.31,51.69 71.37,47.62 76.32,47.62 78.73,45.21 78.73,44.81 ; v2(137.19,26.07) 130.73,26.07 127.85,23.19 75.44,23.19 v2(74.83,23.8) ; J2.51 79.25,11.3 75.3,15.25 v2(74.79,15.25)
/clock_reset_misc_logic/~{M1}: length 134.9
  Top w0.305: v2(141.26,30.13) 141.21,30.18 141.21,40.75 143.78,43.32 143.78,52.39 v2(144.56,53.17) ; U1.27 83.81,17.66 86.61,14.86 88.9,14.86 91.95,11.81 J2.15
  Bottom w0.305: U1.27 88.98,24.41 125.12,24.41 130.84,30.13 v2(141.26,30.13) ; U22.5 147.33,69.34 143.53,65.54 143.53,60.28 145.58,58.23 145.58,56.29 144.56,55.28 v2(144.56,53.17)
/clock_reset_misc_logic/~{RESET}: length 122.5
  Top w0.305: J2.13 86.87,11.3 81.28,16.9 U1.26
  Bottom w0.305: 147.86,32.42 144.27,28.83 130.5,28.83 125.47,23.8 125.22,23.8 86.65,23.8 81.28,29.17 U1.26 ; 147.86,32.42 147.86,33.13 145.02,33.13 144.31,32.42 136.62,32.42 R10.2 ; 147.86,32.42 147.86,36.48 R77.2 U7.10
/clock_reset_misc_logic/~{RFSH}: length 126.2
  Top w0.305: U22.13 156.72,60.34 156.72,51.94 153.91,49.14 153.91,46.45 149.75,42.29 147.32,42.29 146.3,41.27 146.3,32.64 v2(145.7,32.04) ; U1.28 86.36,18.04 v2(86.42,17.97)
  Bottom w0.305: J2.49 84.33,15.88 v2(86.42,17.97) ; U1.28 90.91,25.02 124.71,25.02 131.48,31.78 145.45,31.78 v2(145.7,32.04)
/clock_reset_misc_logic/~{WAIT}: length 407.6
  Top w0.305: U20.4 79.01,121.3 80.27,122.56 80.27,126.11 81.03,126.87 84.64,126.87 92.71,134.95 98.25,134.95 101.09,137.79 v2(108.2,137.79) ; v2(76.26,17.69) 76.2,17.75 U1.24 ; v2(148.08,125.86) 147.57,125.35 134.62,125.35 132.08,122.81 132.08,116.71 133.58,115.22 133.58,98.89 130.56,95.87 130.56,92.17 129.69,91.31 129.69,75.97 129.03,75.31 129.03,39.73 v2(129.79,38.97) 129.79,36.31 127.25,33.77 R15.2 ; v2(67.43,114.99) 64.57,114.99 61.98,112.39 61.98,88.77 65.28,85.47 65.28,72.26 63.61,70.59 63.61,68.78 59.72,64.89 59.72,57.06 51.81,49.15 51.81,42.03 49.27,39.49 v2(49.27,25.34)
  Bottom w0.305: U7.4 144.56,44.36 135.16,44.36 129.79,38.99 v2(129.79,38.97) ; v2(148.08,125.86) 152.4,130.17 152.4,135.12 152.26,135.25 127.98,135.25 123.92,139.32 109.73,139.32 v2(108.2,137.79) ; v2(67.43,114.99) 69.15,114.99 69.52,115.37 69.52,119.4 69.63,119.51 76.71,119.51 U20.4 ; J2.50 81.79,12.26 76.36,17.69 v2(76.26,17.69) 72.22,21.73 52.89,21.73 v2(49.27,25.34)
/controller/~{CTRL_EN_1}: length 215.8
  Top w0.305: v2(55.37,139.57) 54.44,138.64 54.44,123.4 v2(49.82,118.78) ; v2(138.21,122.33) 136.94,123.6 135.42,123.6 134.63,122.82 134.63,117.32 138.68,113.26 138.68,108.95 137.4,107.67 137.4,102.25
  Bottom w0.305: v2(49.82,118.78) 42.45,118.78 25.91,102.23 25.91,77.6 27.65,75.85 40.35,75.85 U24.2 ; v2(55.37,139.57) 57.97,139.57 61.54,136 66.82,136 69.12,133.7 69.12,131.48 71.44,129.16 131.39,129.16 v2(138.21,122.33)
/controller/~{CTRL_EN_2}: length 210.4
  Top w0.305: 147.56,102.25 143.76,106.05 143.76,111.64 139.7,115.7 139.7,121.49 v2(140.54,122.33) ; v2(55.27,141.4) 53.83,139.96 53.83,124.83 v2(49.78,120.78)
  Bottom w0.305: v2(140.54,122.33) 132.95,129.92 71.7,129.92 69.88,131.73 69.88,133.95 67.23,136.61 61.79,136.61 57,141.4 v2(55.27,141.4) ; U24.5 33.58,75.01 27.3,75.01 25.15,77.16 25.15,102.49 43.43,120.78 v2(49.78,120.78)
/controller/~{CTRL_READ}: length 267
  Top w0.305: U19.1 31.75,145.92 33.78,143.89 33.78,120.01 32.51,118.74 9.14,118.74 7.62,117.22 U18.1 5.77,113.6 5.77,100.78 8.64,97.92 30.23,97.92 35.31,92.84 35.31,89.03 33.53,87.25 v2(29.72,87.25) ; v2(133.1,83.44) 132.08,84.45 132.08,88.01 136.65,92.58 140.08,92.58 142.09,94.59 142.09,96.09 138.96,99.21 138.96,99.23 137.96,100.24 136.94,100.24 136.14,101.04 136.14,108.59 U6.7
  Bottom w0.305: v2(133.1,83.44) 131.57,81.91 74.68,81.91 71.48,78.71 68.99,78.71 67.31,80.39 67.31,83.69 58.88,92.12 53.37,92.12 53.35,92.14 51.63,92.14 48.8,89.31 38.1,89.31 36.04,87.25 v2(29.72,87.25)
/cpu/A0: length 205.7
  Top w0.305: v2(123.88,115.37) 121.92,117.32 121.92,119.51 120.14,121.28 120.14,131.19 120.65,131.69 U9.13 ; U2.10 77.46,100.7 v2(76.74,99.98) 76.2,99.44 76.2,91.57 75.47,90.84 75.47,84.93 80.78,79.62 80.78,63.43 82.3,61.92 82.3,60.07 84.58,57.78 85.02,57.78 86.07,56.73 86.07,55.36 87.92,53.51 87.92,50.38 90.17,48.13 90.17,43.56 91.44,42.3 U1.30 91.44,18.42 v2(91.95,17.91) ; U3.5 116.33,107.09 116.33,98.93 117.59,97.67 U4.5
  Bottom w0.305: v2(91.95,17.91) 89.41,15.37 J2.47 ; U4.5 114.53,97.95 103.53,97.95 102.77,98.71 80.3,98.71 79.03,99.98 v2(76.74,99.98) ; U3.5 117.59,107.95 119.54,105.99 123.14,105.99 123.95,106.81 123.95,115.29 v2(123.88,115.37)
/cpu/A1: length 355.5
  Top w0.305: U4.6 115.05,97.93 113.79,99.19 113.79,107.09 U3.6 ; U7.1 155.19,47.77 161.85,54.43 161.85,103.16 158.71,106.3 v2(158.19,106.3) ; J2.18 99.57,11.56 94.23,16.89 94.23,26.92 93.98,27.18 U1.31 93.98,42.63 95.23,43.89 95.23,45.73 88.65,52.32 88.65,56.69 87.88,57.46 87.19,57.46 84.84,59.82 84.84,61.93 82.25,64.52 82.25,80.19 77,85.44 77,90.33 78.74,92.08 v2(78.74,98.68) 80,99.94 U2.9
  Bottom w0.305: U19.19 29.97,136.27 34.29,136.27 38.05,132.51 53.8,132.51 57.15,129.16 57.15,123.94 61.31,119.77 62.06,119.77 64.26,117.57 64.26,114.68 68.48,110.46 77.62,110.46 U2.9 ; v2(78.74,98.68) 79.38,98.05 102.58,98.05 103.28,97.34 112.59,97.34 U4.6 117.3,92.63 129.82,92.63 133.07,95.88 137.79,95.88 140.83,92.85 150.15,92.85 150.99,93.69 150.99,93.71 157.01,99.73 157.01,99.73 158.19,100.91 v2(158.19,106.3)
/cpu/A2: length 177.3
  Top w0.305: U4.7 112.51,97.67 111.25,98.93 111.25,107.09 U3.7 112.51,108.75 116.16,112.39 v2(117.86,112.39) ; U2.8 81.26,106.8 81.26,89.3 83.85,86.71 83.85,65.45 87.38,61.93 87.38,59.69 89.28,57.78 90.1,57.78 91.19,56.69 91.19,54.99 100.33,45.85 100.33,42.8 96.52,38.98 96.52,29.57 96.27,29.32 96.27,17.15 97.27,16.14 99.88,16.14 104.65,11.37 J2.20
  Bottom w0.305: v2(117.86,112.39) 116.84,111.38 85.84,111.38 U2.8
/cpu/A3: length 173.7
  Top w0.305: v2(120.14,111.63) 120.13,111.62 U3.4 118.87,107.09 118.87,98.42 120.13,97.16 U4.4 ; U2.7 83.82,106.82 83.82,90.36 99.35,74.84 99.35,67.72 92.46,60.83 93.73,59.56 93.73,54.99 102.87,45.85 102.87,42.54 99.06,38.73 U1.33 v2(99.06,19.97)
  Bottom w0.305: U2.7 87.72,110.72 118.72,110.72 119.63,111.63 v2(120.14,111.63) ; J2.44 97.03,12.57 99.06,14.6 v2(99.06,19.97)
/cpu/A4: length 204
  Top w0.305: 101.59,29.57 101.59,37.71 105.41,41.53 105.41,51.69 105.16,51.94 ; U4.3 122.67,97.67 121.41,98.93 121.41,107.09 U3.3 ; J2.21 107.19,12.57 109.47,14.86 109.47,24.51 105.42,28.57 105.42,37.73 110.49,42.8 110.49,50.43 108.98,51.94 105.16,51.94 ; U2.6 86.36,106.82 86.36,88.73 100.11,74.98 100.11,65.95 95,60.83 96.23,59.6 96.23,54.01 98.3,51.94 105.16,51.94
  Bottom w0.305: U3.3 122.67,108.75 121.31,110.11 89.65,110.11 U2.6
/cpu/A5: length 211.1
  Top w0.305: U3.2 125.21,102.9 123.95,101.65 123.95,99.69 125.21,98.43 U4.2 ; U2.5 88.9,106.82 88.9,87.06 100.87,75.09 100.87,62.43 100.08,61.64 100.08,60.83 101.31,59.6 101.31,55.03 102.11,54.23 109.98,54.23 113.03,51.18 113.03,40.26 v2(109.6,36.83) 110.49,35.94 110.49,27.81 112.01,26.29 112.01,5.46 J2.23
  Bottom w0.305: 147.56,109.87 144.42,113 129.47,113 125.21,108.75 U3.2 125.21,106.29 123.73,104.81 118.84,104.81 117.6,106.04 106.68,106.04 103.38,109.35 91.43,109.35 U2.5 ; 104.13,29.57 104.13,31.36 v2(109.6,36.83)
/cpu/A6: length 210.6
  Top w0.305: J2.24 114.81,15.11 115.57,15.88 115.57,31.62 113.54,33.65 v2(113.54,36.45) 115.55,38.46 115.55,52.98 112.98,55.55 112.98,63.49 v2(112.3,64.17) ; 102.62,60.83 102.62,61.64 101.68,62.57 101.68,75.14 91.44,85.38 91.44,106.82 U2.4 ; U3.1 126.49,107.09 126.49,99.69 127.75,98.43 U4.1
  Bottom w0.305: 102.62,60.83 102.87,60.83 105.95,63.91 112.05,63.91 v2(112.3,64.17) ; v2(113.54,36.45) 111.51,36.45 106.68,31.62 U1.36 ; U2.4 95.5,105.28 116.84,105.28 118.33,103.79 123.99,103.79 127.75,107.56 U3.1 127.75,108.75 131.4,112.39 142.49,112.39 U6.3
